# Altium PCB AD8361.PcbDoc
Units mil, origin at the board's own origin, x right, y up, seen from the top; angles counter-clockwise.
Board outline 1742.5 x 2240 mil, 2 copper layers (Top Layer, Bottom Layer); 15 components, 7 nets, 46 pads, 243 vias.
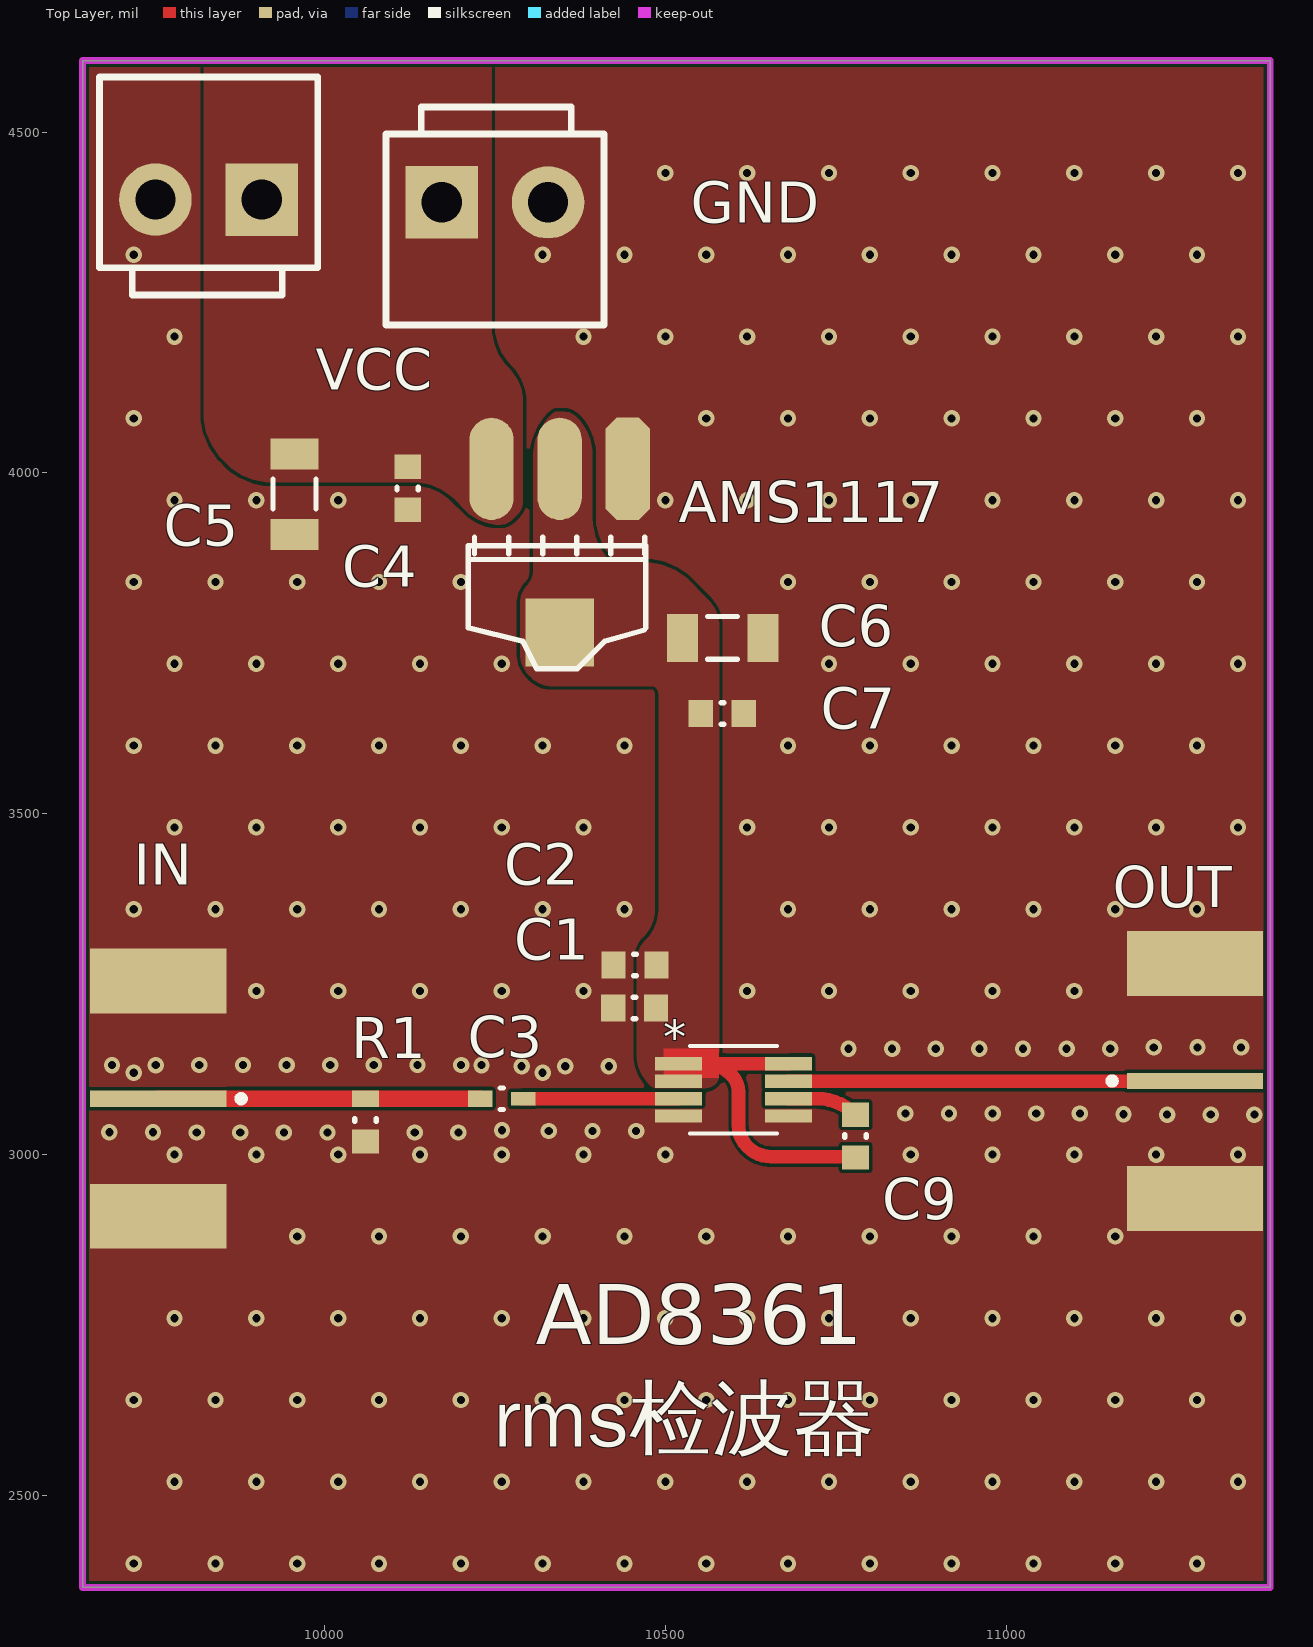
[diagram p0: Top Layer view]
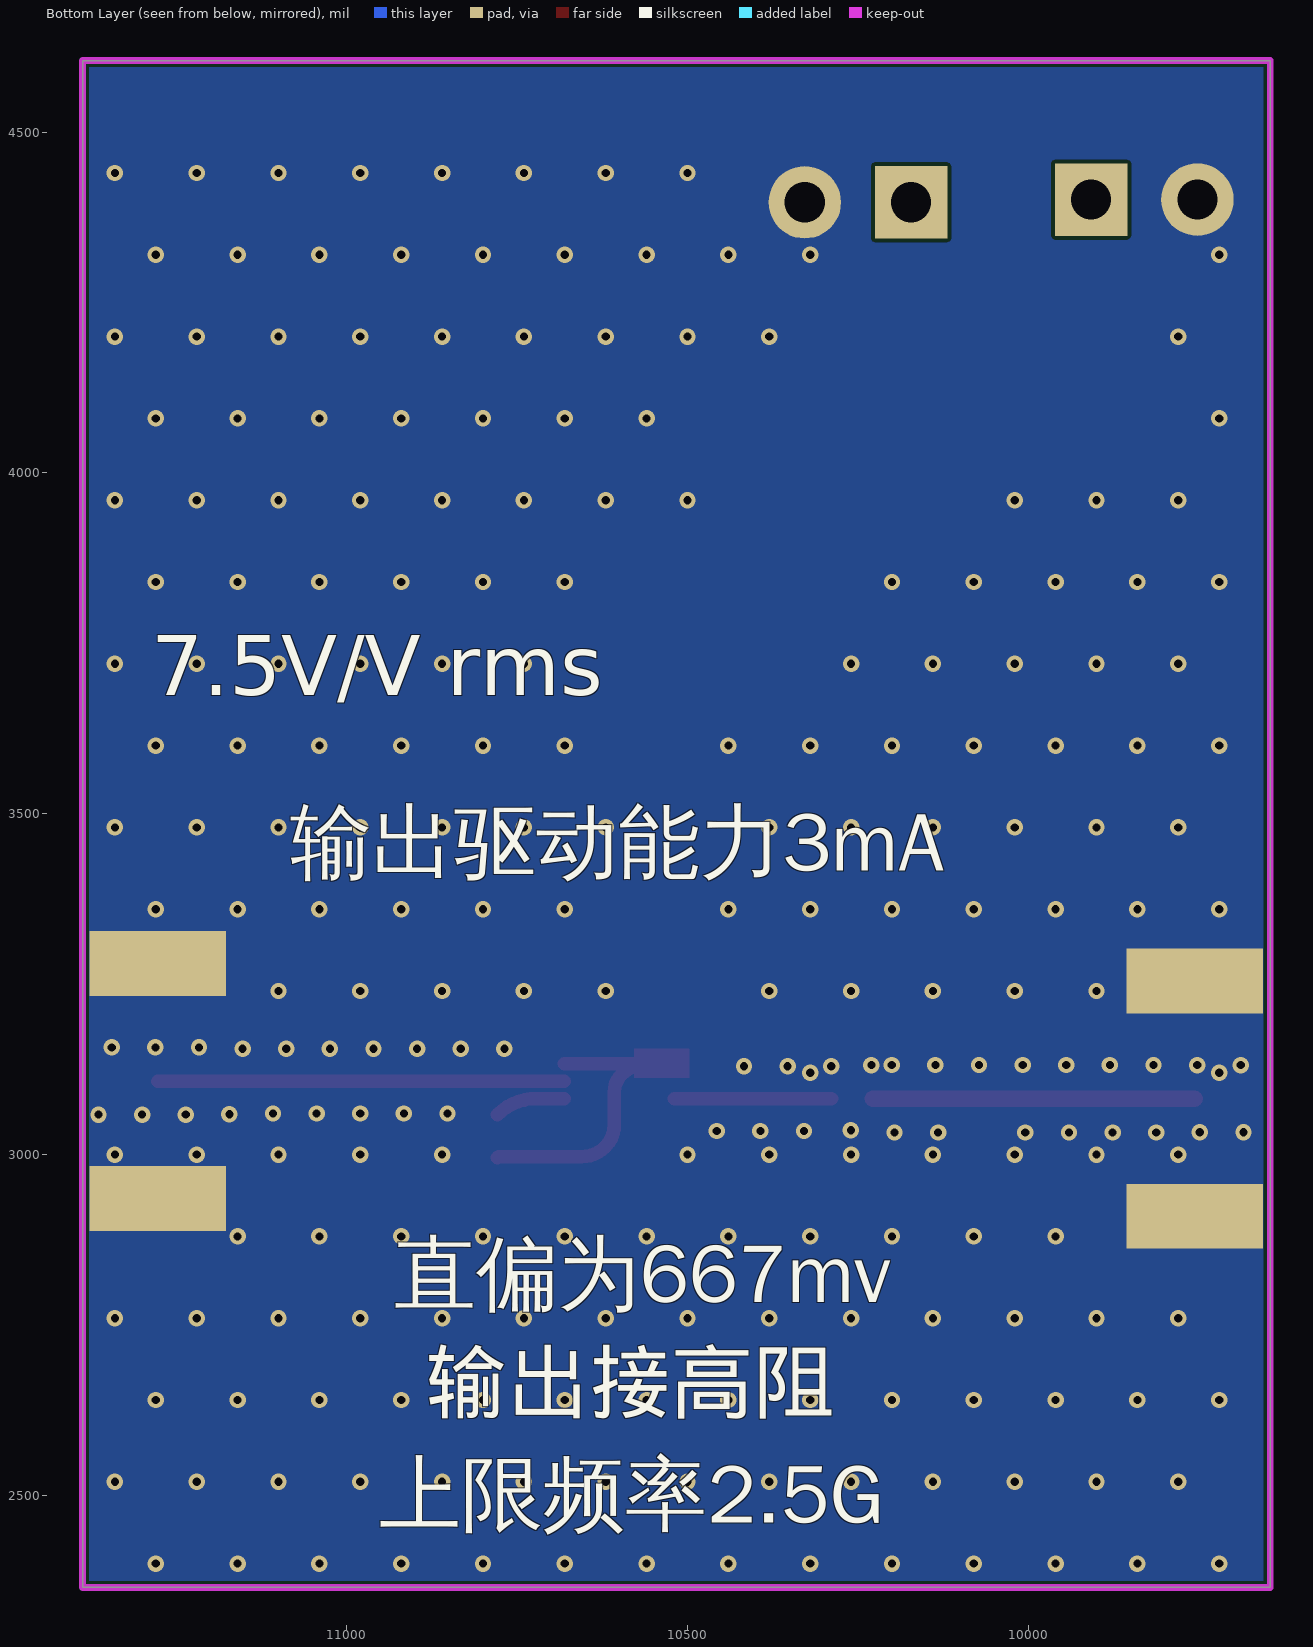
[diagram p1: Bottom Layer view, seen from below]

## Layer stack, top to bottom
Top Solder: solder mask 0.4, Solder Resist, Dk 3.5
Top Layer: signal copper 1.4
Dielectric 1: dielectric 12.6, FR-4, Dk 4.8
Bottom Layer: signal copper 1.4
Bottom Solder: solder mask 0.4, Solder Resist, Dk 3.5

## Board outline
9645,2365 9645,4605 11387.5,4605 11387.5,2365

## Design rules (kind name [scope] priority, off if disabled: settings)
Clearance [All] p1: gap=5 ignorepadtopadclearanceinfootprint=FALSE
PlaneConnect [All] p1: planeconnectstyle=Direct reliefexpansion=20 reliefentries=4 reliefconductorwidth=10 reliefairgap=10
PolygonConnect [All] p1: connectstyle=Direct reliefconductorwidth=10 reliefentries=4 polygonreliefangle="90 Angle" airgapwidth=10
RoutingVias [All] p1: holewidth=28 width=50 viastyle="Through Hole" minholewidth=28 minwidth=50 maxholewidth=28 maxwidth=50
SolderMaskExpansion [All] p1: expansion=4
Width [All] p1: maxlimit=24 minlimit=10 preferedwidth=20
29 further rules are at their usual default settings.

## Components (designator, comment, footprint, x,y, rotation, side; value= is the part's Value field where it differs from the comment)
AD8361 "AD8361" RM_8 10600,3095 r0 top value=Value
AMS1117 "AMS1117-5" AMS1117 10445.03,4005.94 r180 top
C1 "100pF" 0603C#1 10455,3215 r0 top
C2 "0.01uF" 0603C#1 10455.5,3278 r0 top
C3 "1uF" 0603C#2 10260,3082 r180 top
C4 "6pF" 0603C#1 10122,3977.5 r90 top
C5 "6pF" 1206C 9956,3969 r90 top
C6 "22uF" 1206C 10583.94,3758 r180 top
C7 "22uF" 0603C#1 10583.5,3647 r180 top
C9 "100nF" 0603C#1 10779,3027 r270 top
GND "3.96" 3.96 9830,4401 r180 top (schematic designator *)
IN "SMA" SMA 9852,3077 r0 top (schematic designator P1)
OUT "SMA" SMA 11181,3113 r180 top (schematic designator P2)
R1 "75R" 0603R 10060,3050.5 r90 top
VCC "3.96" 3.96 10249.95,4397 r0 top (schematic designator 1)

## Footprints (in the part's own frame and the unit in brackets; to place one, negate y for a bottom-side part, rotate by r counter-clockwise, add the part's x,y. Pads: shape width x height; smd on the part's side, far side on the other; paste and mask are expansions set on the pad)
3.96 [mm] "接插件，25V/5A"
  rect 2.7x2.7 hole 1.5: 1(-1.98,0)
  round 2.7 hole 1.5: 2(1.982,0)
  silkscreen extent -4.06,-4.57 4.07,3.56, body extent -3.98,-4.4 4.03,4.16, height 10.5
0603C#1 [mm] "Chip Capacitor, Body 1.6x0.8mm, Height 1.0mm, IPC Medium Density"
  rect 0.9x1 smd: 1(-0.8,0) 2(0.8,0)
  silkscreen extent -0.05,-0.4 0.05,0.4, body extent -0.87,-0.48 0.88,0.47, height 1
0603C#2 [mm] "Chip Capacitor, Body 1.6x0.8mm, Height 1.0mm, IPC Medium Density"
  rect 0.9x0.508 smd: 1(-0.8,0)
  rect 0.9x0.61 smd: 2(0.8,0)
  silkscreen extent -0.05,-0.4 0.05,0.4, body extent -0.87,-0.48 0.88,0.47, height 1
0603R [mm] "Chip Resistor, Body 1.6x0.8mm, IPC Medium Density"
  rect 0.9x1 smd: 1(-0.8,0)
  rect 0.61x1 smd: 2(0.8,0)
  silkscreen extent -0.05,-0.4 0.05,0.4, body extent -0.85,-0.47 0.85,0.47, height 0.6
1206C [mm] "Chip Capacitor, Body 3.2x1.6mm, Height 1mm, IPC Medium Density"
  rect 1.15x1.8 smd: 1(-1.5,0) 2(1.5,0)
  silkscreen extent -0.55,-0.8 0.55,0.8, body extent -1.7,-0.9 1.7,0.9, height 1
AMS1117 [mil]
  oct 65x150 smd: 1(0.03,-0.06)
  oval 65x150 smd: 2(100.03,-0.06) 3(200.03,-0.06)
  rect 100x100 smd: 4(100.03,239.94)
  silkscreen extent -26,100 234,293
RM_8 [mm]
  rect 1.761x0.501 smd paste+0 mask+0: 1(-2.05,0.975) 2(-2.05,0.325) 3(-2.05,-0.325) 4(-2.05,-0.975) 5(2.05,-0.975) 6(2.05,-0.325) 7(2.05,0.325) 8(2.05,0.975)
  silkscreen extent -1.63,-1.63 1.63,1.63, body extent 0,0 0.25,0.25, height 0.25
SMA [mil]
  rect 200x24 smd: 1(-96,5)
  rect 200x95 smd: 2(-96,-167.5) 2(-96,177.5)
  rect 200x95 smd far side: 2(-96,-167.5) 2(-96,177.5) 2(-96,177.5)
  silkscreen extent 21,0 31,10, body extent -571,-183 -9,192, height 171

## Part data
AD8361: "LF至2.5 GHz TruPwr?检波器", Manufacturer_Part_Number=AD8361ARMZ, Built_By=Analog_Devices_Team, Copyright="Copyright (C) 2018 Accelerated Designs. All rights reserved", RefDes=RefDes, Type=DEV, Vendor="Analog Devices Inc"
AMS1117: library part AMS1117
C1 C2 C3 C4 C5 C6 C7 C9: library part C, "Capacitor"
IN OUT: "SMA Connector"
R1: library part Resistor, "Resistor"

## Via types
v1: diameter 24, hole 12, Top Layer to Bottom Layer, tented both sides, 243 vias

## Nets (pads, with @x,y where several pads share a name; then routed paths per layer and width w, separated by ;. In a path a pad name is that pad's centre, name@x,y a point inside that pad or via, vN(x,y) a via of type N, cw(c..) or ccw(c..) an arc to the next point about the centre after c; other vN are vias at no path point)
5v: AD8361.1 AD8361.2 AD8361.8 AMS1117.2 AMS1117.4 C1.2 C2.2 C6.2 C7.2 C9.2 | length 479.9
  Top Layer w20: AD8361.1 10557.44,3133.39 ; AD8361.8 10557.44,3133.39 ; C9.2 ccw(c10775.39,2991.89) 10775.39,2997 10655.22,2997 cw(c10655.22,3045.81) 10620.7,3011.3 cw(c10653.04,3043.63) 10607.31,3043.63 10607.31,3092.1 ccw(c10572.1,3092.1) 10597,3117 ccw(c10557.44,3077.44) 10557.44,3133.39
GND: AD8361.4 AD8361.5 AMS1117.1 C1.1 C2.1 C4.1 C5.1 C6.1 C7.1 GND.2 IN.2 OUT.2 R1.1 VCC.2
  other v1: 9720,2400 9840,2400 9960,2400 10080,2400 10200,2400 10320,2400 10440,2400 10560,2400 10680,2400 10800,2400 10920,2400 11040,2400 11160,2400 11280,2400 9780,2520 9900,2520 10020,2520 10140,2520 10260,2520 10380,2520 10500,2520 10620,2520 10740,2520 10860,2520 10980,2520 11100,2520 11220,2520 11340,2520 9720,2640 9840,2640 9960,2640 10080,2640 10200,2640 10320,2640 10440,2640 10560,2640 10680,2640 10800,2640 10920,2640 11040,2640 11160,2640 11280,2640 9780,2760 9900,2760 10020,2760 10140,2760 10260,2760 10380,2760 10500,2760 10620,2760 10740,2760 10860,2760 10980,2760 11100,2760 11220,2760 11340,2760 9960,2880 10080,2880 10200,2880 10320,2880 10440,2880 10560,2880 10680,2880 10800,2880 10920,2880 11040,2880 11160,2880 9780,3000 9900,3000 10020,3000 10140,3000 10260,3000 10380,3000 10500,3000 10860,3000 10980,3000 11100,3000 11220,3000 11340,3000 9812.42,3032.45 9876.42,3032.45 9940.42,3032.45 10004.42,3032.45 10132.42,3032.45 10196.42,3032.45 9684.42,3032.68 9748.42,3032.68 10329.04,3034.69 10393.04,3034.69 10457.04,3034.69 10260.33,3035.8 11172.09,3059.33 11236.08,3058.68 11300.08,3058.68 11364.08,3058.68 10852.09,3060.28 10916.09,3060.28 10980.09,3060.28 11044.09,3060.28 11108.09,3060.28 9720,3120 10320,3120 10289.15,3129.72 10353.15,3129.72 10417.15,3129.72 9688.32,3131.32 9752.32,3131.32 10230.29,3131.32 9816.32,3131.55 9880.32,3131.55 9944.32,3131.55 10008.32,3131.55 10072.32,3131.55 10136.32,3131.55 10200.32,3131.55 10768.62,3155.31 10832.62,3155.31 10896.62,3155.31 10960.62,3155.31 11024.62,3155.31 11088.62,3155.31 11152.62,3155.31 11216.59,3157.32 11280.59,3157.32 11344.59,3157.32 9900,3240 10020,3240 10140,3240 10260,3240 10380,3240 10620,3240 10740,3240 10860,3240 10980,3240 11100,3240 9720,3360 9840,3360 9960,3360 10080,3360 10200,3360 10320,3360 10440,3360 10680,3360 10800,3360 10920,3360 11040,3360 11160,3360 11280,3360 9780,3480 9900,3480 10020,3480 10140,3480 10260,3480 10380,3480 10620,3480 10740,3480 10860,3480 10980,3480 11100,3480 11220,3480 11340,3480 9720,3600 9840,3600 9960,3600 10080,3600 10200,3600 10320,3600 10440,3600 10680,3600 10800,3600 10920,3600 11040,3600 11160,3600 11280,3600 9780,3720 9900,3720 10020,3720 10140,3720 10260,3720 10740,3720 10860,3720 10980,3720 11100,3720 11220,3720 11340,3720 9720,3840 9840,3840 9960,3840 10080,3840 10200,3840 10680,3840 10800,3840 10920,3840 11040,3840 11160,3840 11280,3840 9780,3960 9900,3960 10020,3960 10500,3960 10620,3960 10740,3960 10860,3960 10980,3960 11100,3960 11220,3960 11340,3960 9720,4080 10560,4080 10680,4080 10800,4080 10920,4080 11040,4080 11160,4080 11280,4080 9780,4200 10380,4200 10500,4200 10620,4200 10740,4200 10860,4200 10980,4200 11100,4200 11220,4200 11340,4200 9720,4320 10320,4320 10440,4320 10560,4320 10680,4320 10800,4320 10920,4320 11040,4320 11160,4320 11280,4320 10500,4440 10620,4440 10740,4440 10860,4440 10980,4440 11100,4440 11220,4440 11340,4440
NetAD8361_3: AD8361.3 C3.1 | length 230.6
  Top Layer w20: C3.1@10288.7,3082.2 AD8361.3
NetAD8361_6: AD8361.6 C9.1 | length 104.6
  Top Layer w20: AD8361.6 10721.76,3082.2 cw(c10721.76,3001.26) C9.1
NetAD8361_7: AD8361.7 OUT.1 | length 596.1
  Top Layer w20: AD8361.7 OUT.1@11276.8,3107.8
NetC3_2: C3.2 IN.1 R1.2 | length 472.5
  Top Layer w24: IN.1 R1.2 C3.2
VCC: AMS1117.3 C4.2 C5.2 GND.1 VCC.1

## Polygon pours and split planes (outlines as drawn)
GND on Top Layer "Top Layer-No Net" (solid, pour order 6): 9645,4605 11387.5,4605 11387.5,2365 9645,2365
GND on Top Layer "Top Layer-No Net" (solid, pour order 4): 9645,4605 11387.5,4605 11387.5,2365 9645,2365
5v on Top Layer "Top Layer-No Net" (solid, pour order 2): 10332,4085 ccw(c10394.77,4022.23) 10306,4022.23 10306,3855.31 cw(c10278.69,3855.31) 10298,3836 ccw(c10324.56,3809.44) 10287,3809.44 10287,3735 ccw(c10332.87,3735) 10300.43,3702.57 10303,3700 ccw(c10334.38,3731.38) 10334.38,3687 10481.17,3687 cw(c10481.17,3680.17) 10486,3685 cw(c10476.34,3675.34) 10490,3675.34 10490,3359.46 cw(c10428.54,3359.46) 10472,3316 ccw(c10505.8,3282.2) 10458,3282.2 10458,3147.87 ccw(c10522.87,3147.87) 10477,3102 ccw(c10489.07,3114.07) 10489.07,3097 10557.1,3097 ccw(c10557.1,3120.9) 10574,3104 ccw(c10561.93,3116.07) 10579,3116.07 10579,3773.96 ccw(c10520.96,3773.96) 10562,3815 10537.29,3839.71 ccw(c10466.58,3769) 10466.58,3869 10420,3869 cw(c10485.18,3934.18) 10393,3934.18 10393,4026.47 ccw(c10314.47,4026.47) 10370,4082 ccw(c10350.69,4062.69) 10350.69,4090 10341.24,4090 ccw(c10341.24,4079.76) 10334,4087
VCC on Top Layer "Top Layer-No Net" (solid, pour order 0): 9823,4605 9823,4088.42 ccw(c9923,4088.42) 9852.29,4017.71 9856,4014 ccw(c9923.6,4081.6) 9923.6,3986 10132.06,3986 cw(c10132.06,3904.06) 10190,3962 10207.49,3944.51 ccw(c10257,3994.01) 10257,3924 ccw(c10257,3950.56) 10275.78,3931.78 10283,3939 ccw(c10263.69,3958.31) 10291,3958.31 10291,4103.3 ccw(c10219.3,4103.3) 10270,4154 cw(c10330.36,4214.36) 10245,4214.36 10245,4608
GND on Bottom Layer "Top Layer-No Net" (solid, pour order 10): 9645,4605 11387.5,4605 11387.5,2365 9645,2365

## Keep-outs
Keep-Out Layer:
  lines w10: 9645,2365 9645,2390 9645,4605 11387.5,4605 11387.5,2365 9645,2365

## Other copper
Top Layer:
  rectangle net 5v: 10497,3112.21 10578.57,3156

## Silkscreen, mask and mechanical layers (free items; w line width, h text height)
Top Overlay:
  text "rms检波器" at 10248,2543 h150
Bottom Overlay:
  text "7.5V/V rms" at 11287,3645 h150
  text "输出驱动能力3mA" at 11083,3388 h150
  text "直偏为667mv" at 10930,2755 h150
  text "输出接高阻" at 10885,2595 h150
  text "上限频率2.5G" at 10952,2431 h150
Bottom Solder:
  rectangle: 10445,2971 10771,3198
  rectangle: 10171,3647 10505,4101

## Text inside footprints (layer, text, board x,y; h text height)
AD8361: Top Overlay "*" at 10496.79,3148.1 h50; Mechanical 13 "*" at 10543.44,3101.06 h50